# Altium PCB Drive_Board.PcbDoc
Units mil, origin at the board's own origin, x right, y up, seen from the top; angles counter-clockwise.
Board outline 3356.04 x 2335.03 mil, 2 copper layers (Top Layer, Bottom Layer); 77 components, 39 nets, 225 pads, 0 vias.
Unrouted connection lines stored in the file: 150.
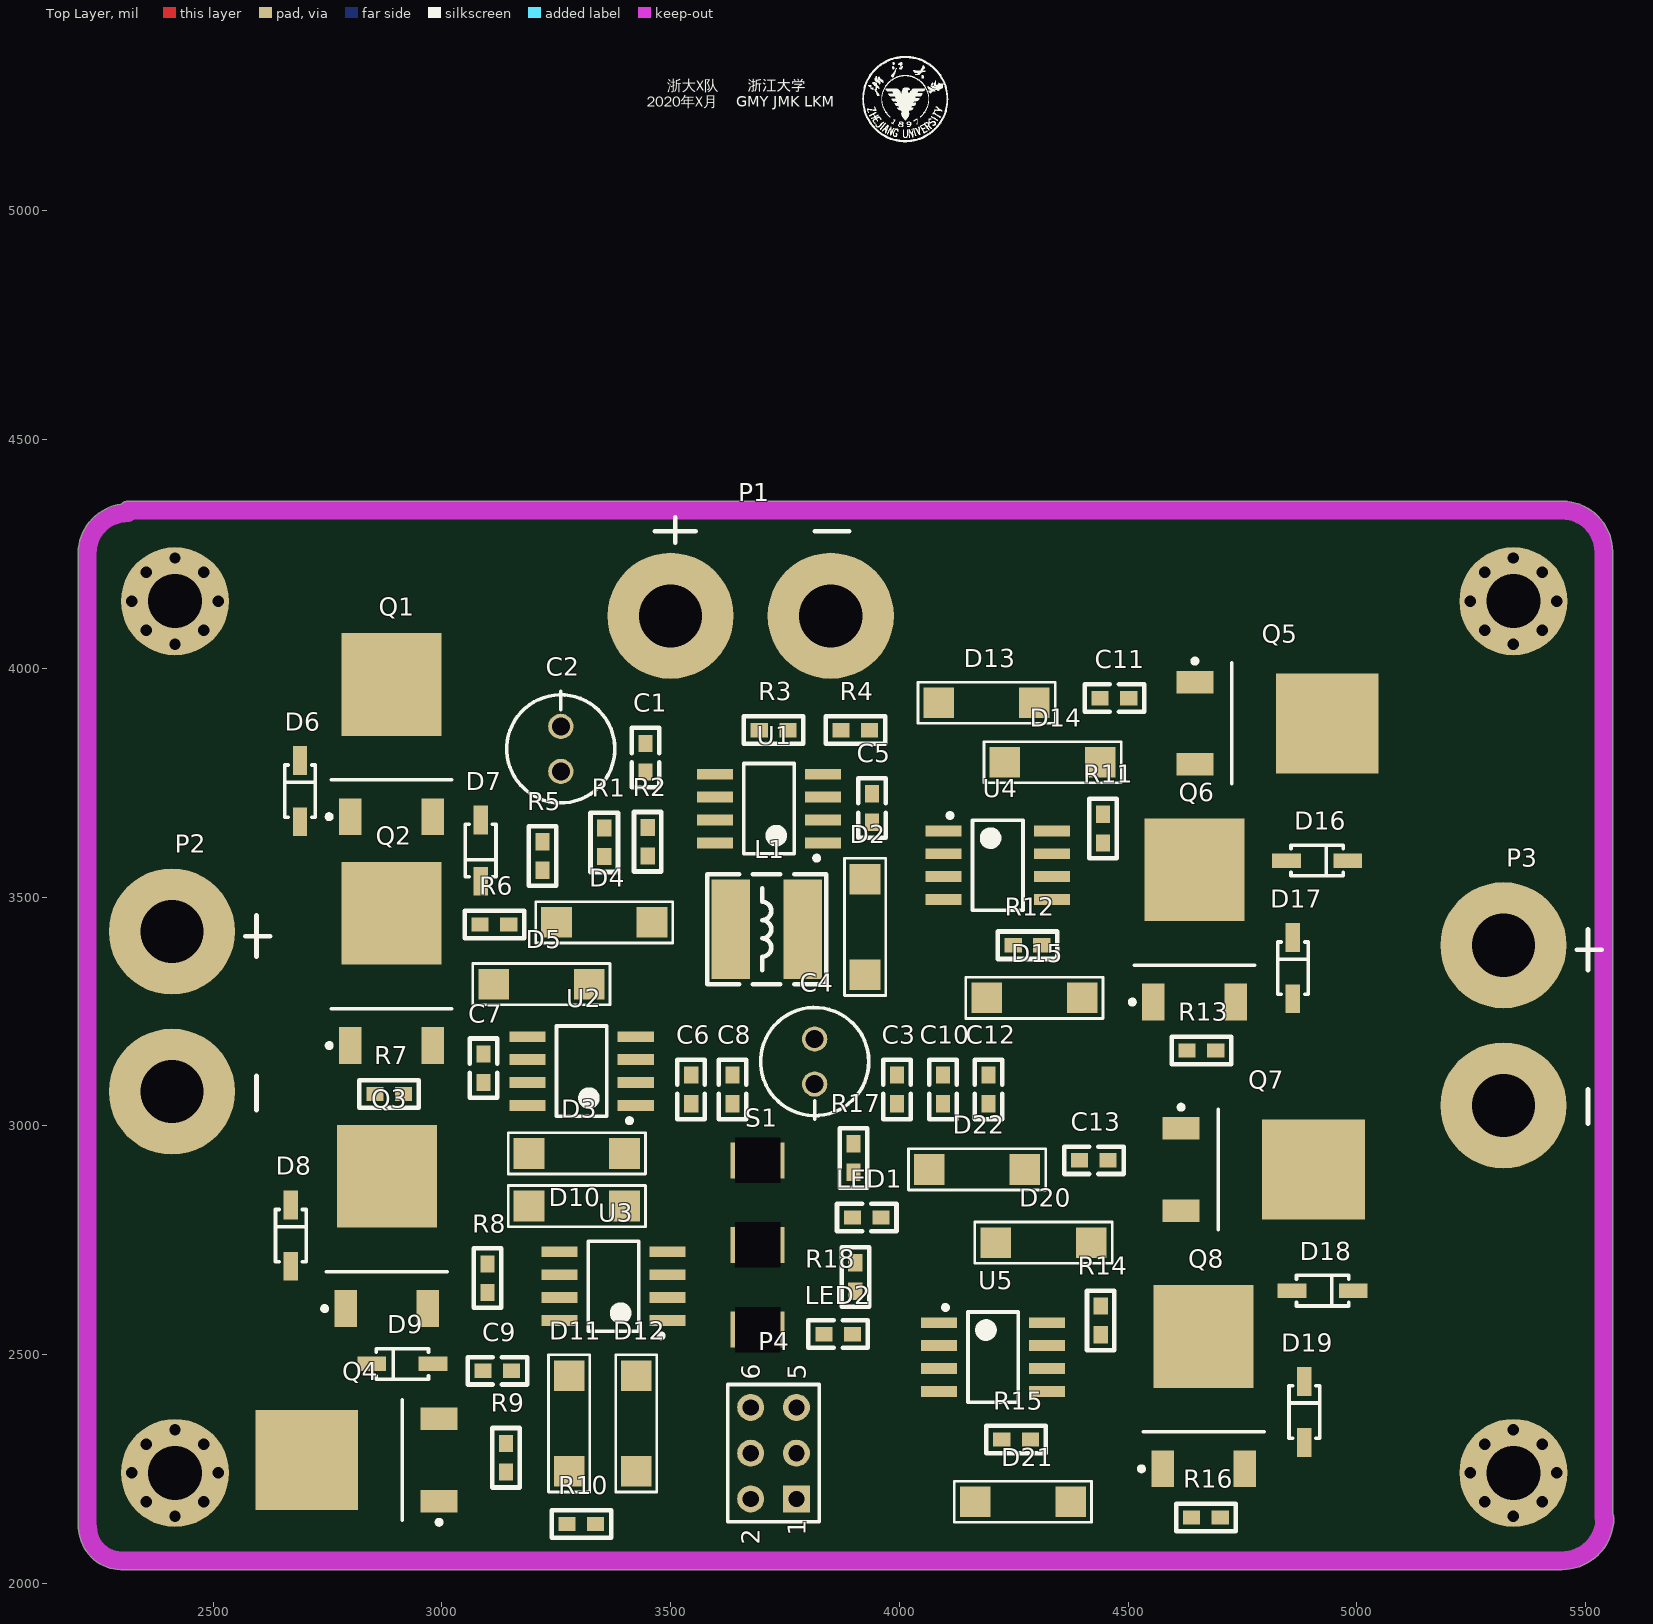
[diagram p0: Top Layer view]
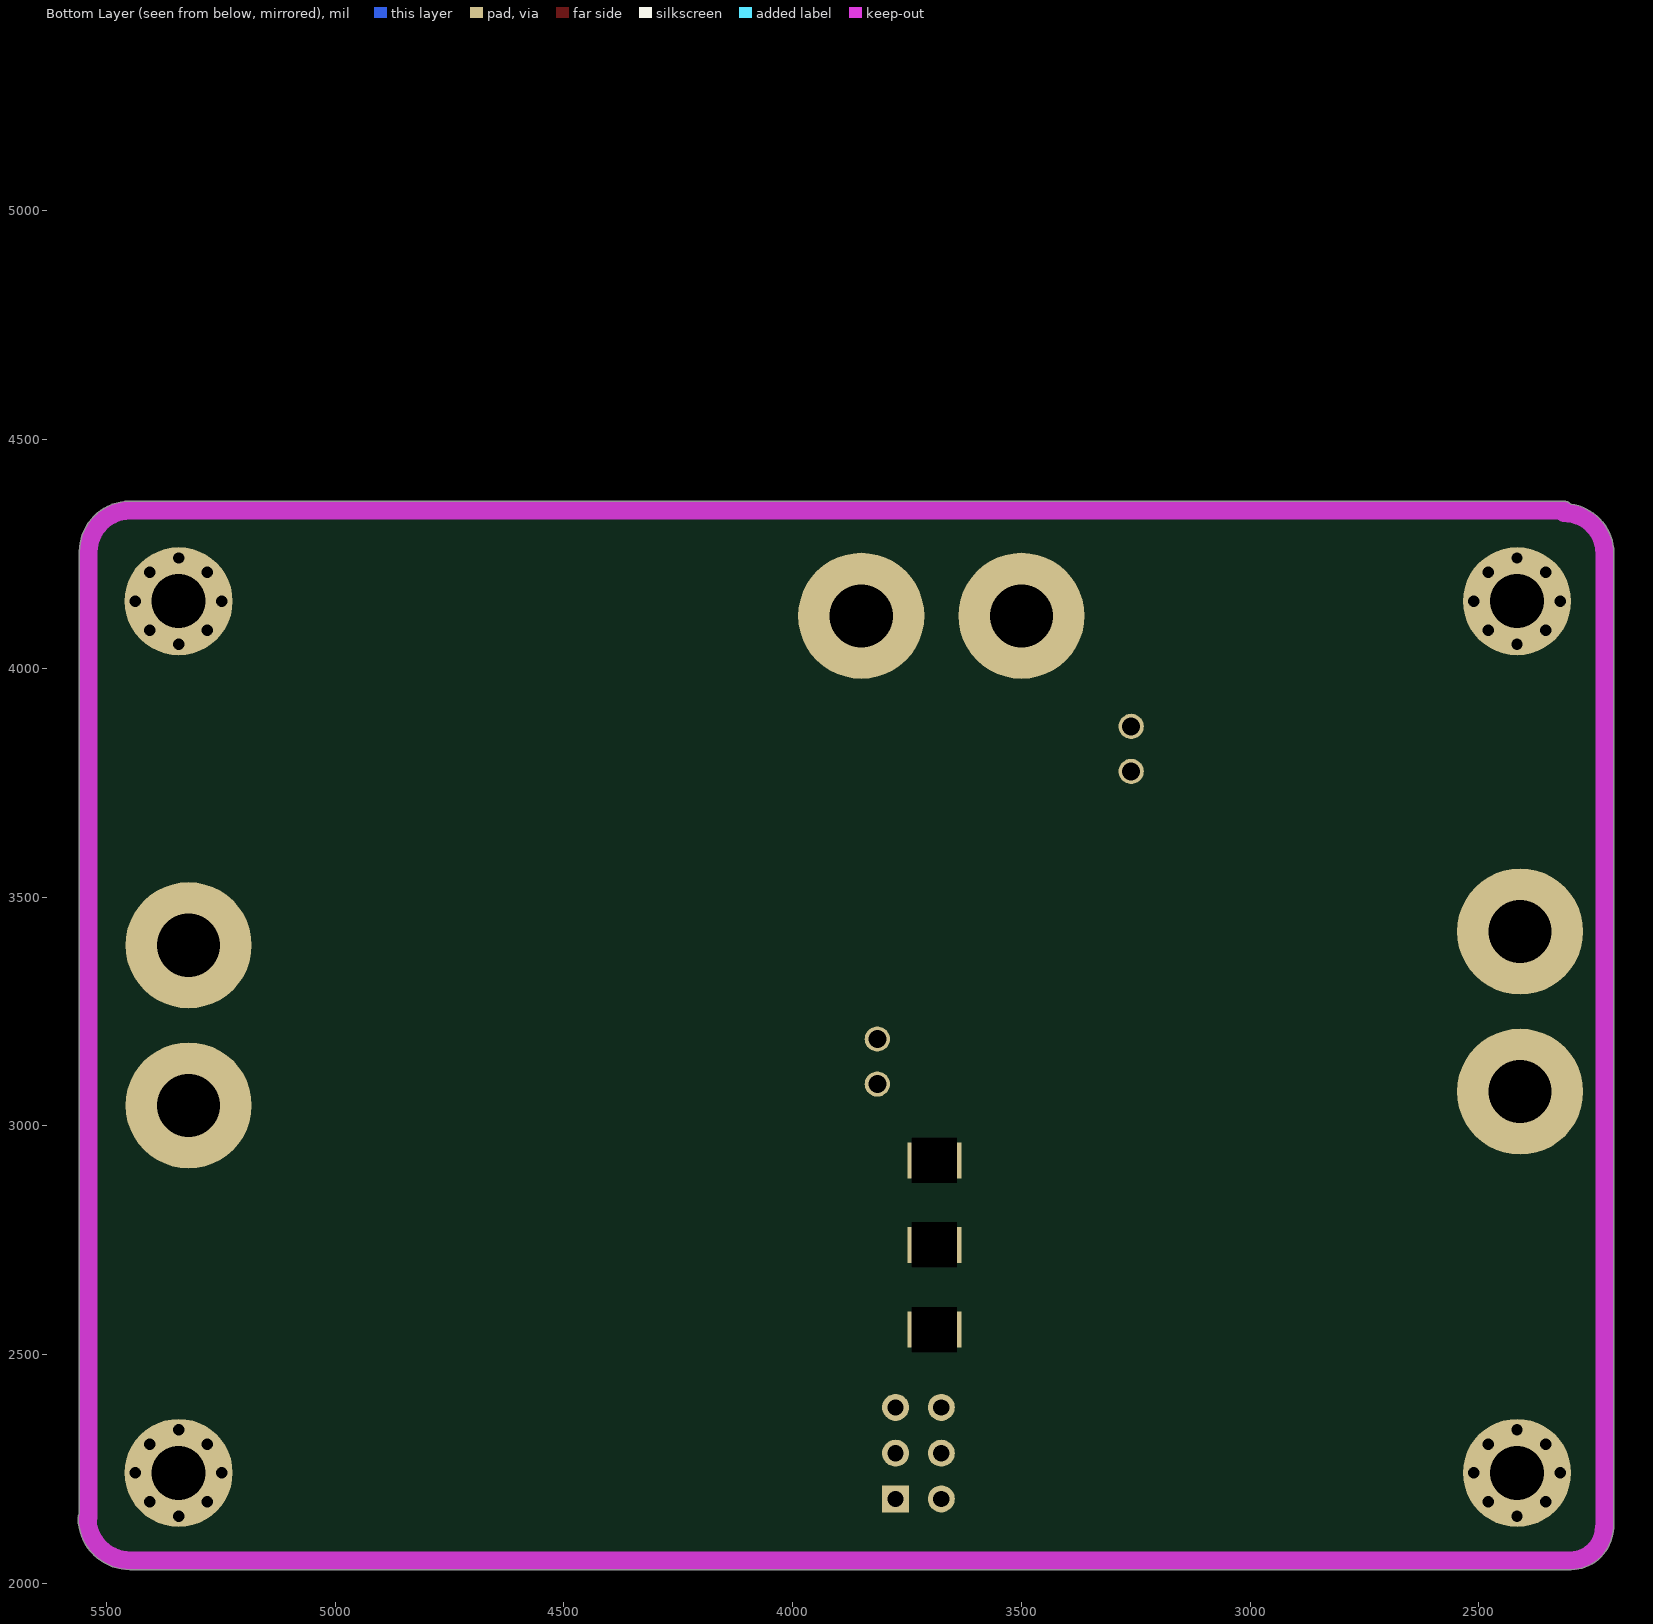
[diagram p1: Bottom Layer view, seen from below]

## Layer stack, top to bottom
Top Solder: solder mask 0.4, Solder Resist, Dk 3.5
Top Layer: signal copper 1.4
Dielectric 1: dielectric 12.6, FR-4, Dk 4.8
Bottom Layer: signal copper 1.4
Bottom Solder: solder mask 0.4, Solder Resist, Dk 3.5

## Board outline
2298.65,2030.34 ccw(c2298.94,2050.35) 2299.33,2030.34 ccw(c2300,2050.34) 2300,2030.33 5447.53,2030.33 ccw(c5447.53,2050.34) 5447.67,2030.33 cw(c5447.76,2050.34) 5447.53,2030.33 5447.67,2030.33 ccw(c5447.76,2050.34) 5447.81,2030.33 ccw(c5447.53,2144.17) 5561.37,2142.53 ccw(c5541.35,2142.82) 5561.37,2142.82 ccw(c5541.35,2142.82) 5558.72,2152.76 5558.72,4255 ccw(c5538.71,4255) 5558.72,4255.14 ccw(c5538.71,4255.22) 5558.72,4255.22 ccw(c5538.71,4255.22) 5558.72,4255.27 ccw(c5448.37,4255) 5449.96,4365.35 ccw(c5449.67,4345.33) 5449.16,4365.34 ccw(c5448.37,4345.34) 5448.37,4365.36 2314.24,4365.36 ccw(c2314.24,4345.34) 2299.64,4359.03 ccw(c2314.24,4251.09) 2205.34,4252.67 ccw(c2225.35,4252.38) 2205.34,4251.88 ccw(c2225.34,4251.09) 2205.32,4251.09 2205.32,2123.75 ccw(c2225.34,2123.75) 2206.9,2115.97 ccw(c2300,2123.75)

## Design rules (kind name [scope] priority, off if disabled: settings)
Clearance [All] p1: gap=10 ignorepadtopadclearanceinfootprint=FALSE except(0: Arc-Hole Track-Hole SMDPad-Hole THPad-Hole Via-Hole Fill-Hole Poly-Hole Region-Hole Text-Hole)
PolygonConnect [All] p1: connectstyle=Relief reliefconductorwidth=10 reliefentries=4 polygonreliefangle="90 Angle" airgapwidth=10
RoutingVias [All] p1: holewidth=28 width=50 viastyle="Through Hole" minholewidth=28 minwidth=50 maxholewidth=28 maxwidth=50
SolderMaskExpansion [All] p1: expansion=4
Width [All] p1: maxlimit=10 minlimit=10 preferedwidth=10
30 further rules are at their usual default settings.

## Classes and differential pairs
component class Sheet1: C1 C2 C3 C4 C5 C6 C7 C8 C9 C10 C11 C12 C13 D2 D3 D4 D5 D6 D7 D8 D9 D10 D11 D12 D13 D14 D15 D16 D17 D18 D19 D20 D21 D22 L1 LED1 LED2 P1 P2 P3 P4 Q1 Q2 Q3 Q4 Q5 Q6 Q7 Q8 R1 R2 R3 R4 R5 R6 R7 R8 R9 R10 R11 R12 R13 R14 R15 R16 R17 R18 S1 U1 U2 U3 U4 U5

## Components (designator, comment, footprint, x,y, rotation, side; value= is the part's Value field where it differs from the comment)
*1 "SCR2" "MECH HOLE 1" 2416.85,4146.86 r0 top
*1 "SCR2" "MECH HOLE 1" 2416.85,2241.85 r0 top
*1 "SCR2" "MECH HOLE 1" 5341.88,4146.86 r0 top
*1 "SCR2" "MECH HOLE 1" 5341.88,2241.85 r0 top
C1 "Cap" 0603C 3445,3805 r270 top value=100nF
C2 "Cap" 电解电容 3260,3775 r90 top value=100uF/16V
C3 "Cap" 0603C 3995,3080 r90 top value=100nF
C4 "Cap" 电解电容 3815,3190 r270 top value=100uF/16V
C5 "Cap" 0603C 3940,3695 r90 top value=470pF
C6 "Cap" 0603C 3545,3080 r270 top value=100nF
C7 "Cap" 0603C 3091.34,3126.25 r270 top value=1.5uF
C8 "Cap" 0603C 3635,3080 r270 top value=100nF
C9 "Cap" 0603C 3121.34,2465 r0 top value=1.5uF
C10 "Cap" 0603C 4095,3080 r90 top value=100nF
C11 "Cap" 0603C 4470,3935 r180 top value=1.5uF
C12 "Cap" 0603C 4195,3080 r90 top value=100nF
C13 "Cap" 0603C 4425,2925 r180 top value=1.5uF
D2 "SS14" ss54 3925,3435 r90 top
D3 "SS14" ss54 3295,2940 r0 top
D4 "SS14" ss54 3355,3445 r0 top
D5 "SS14" ss54 3217.67,3310 r0 top
D6 "1N4148" SOD123 2690,3666.82 r90 top
D7 "1N4148" SOD123 3085,3666.93 r270 top
D8 "1N4148" SOD123 2670,2695.32 r90 top
D9 "1N4148" SOD123 2978.82,2480 r180 top
D10 "SS14" ss54 3295,2825 r180 top
D11 "SS14" ss54 3278.19,2350 r90 top
D12 "SS14" ss54 3425,2350 r270 top
D13 "SS14" ss54 4190.67,3925 r180 top
D14 "SS14" ss54 4335,3795 r180 top
D15 "SS14" ss54 4295,3280 r0 top
D16 "1N4148" SOD123 4848.07,3580 r0 top
D17 "1N4148" SOD123 4860,3280 r90 top
D18 "1N4148" SOD123 4860,2640 r0 top
D19 "1N4148" SOD123 4885,2310 r90 top
D20 "SS14" ss54 4315,2745 r180 top
D21 "SS14" ss54 4270,2178.86 r180 top
D22 "SS14" ss54 4170,2905 r180 top
L1 "220uH" CD54 3710,3430 r0 top
LED1 "0" 0603C 3928.75,2800 r0 top
LED2 "0" 0603C 3866.25,2545 r180 top
P1 "Header 2" VCCBAT 3675,4115 r0 top
P2 "Header 2" VCCBAT 2410,3250 r270 top
P3 "Header 2" VCCBAT 5320,3220 r270 top
P4 "Header 3X2" HDR2X3 3775,2185 r90 top
Q1 "MOSFET" DPAK-1 2890,3855 r90 top
Q2 "MOSFET" DPAK-1 2890,3355 r90 top
Q3 "MOSFET" DPAK-1 2880,2780 r90 top
Q4 "MOSFET" DPAK-1 2815,2270 r180 top
Q5 "MOSFET" DPAK-1 4825,3880 r0 top
Q6 "MOSFET" DPAK-1 4645,3450 r90 top
Q7 "MOSFET" DPAK-1 4795,2905 r0 top
Q8 "MOSFET" DPAK-1 4665,2430 r90 top
R1 "Res2" 0603R 3355,3620 r270 top value=0.91
R2 "Res2" 0603R 3450,3621.25 r270 top value=180
R3 "Res2" 0603R 3725,3865 r180 top value=3.9k
R4 "Res2" 0603R 3903.75,3865 r180 top value=33k
R5 "Res2" 0603R 3220,3590 r270 top value=20
R6 "Res2" 0603R 3115,3440 r0 top value=20
R7 "Res2" 0603R 2885,3070 r180 top value=10k
R8 "Res2" 0603R 3100,2667.48 r270 top value=20
R9 "Res2" 0603R 3140,2275 r90 top value=20
R10 "Res2" 0603R 3305,2130 r180 top value=10k
R11 "Res2" 0603R 4445,3650 r270 top value=20
R12 "Res2" 0603R 4280,3395 r180 top value=20
R13 "Res2" 0603R 4660,3165 r180 top value=10k
R14 "Res2" 0603R 4440,2575 r270 top value=20
R15 "Res2" 0603R 4255,2315 r180 top value=20
R16 "Res2" 0603R 4670,2144.17 r180 top value=10k
R17 "Res2" 0603R 3900,2930 r90 top value=11k
R18 "Res2" 0603R 3903.75,2670 r90 top value=11k
S1 "SW-SPDT" SW 3690,2739.96 r270 top
U1 "MC34063" SOIC-8 3715,3693.75 r180 top
U2 "IR2104" SOIC-8 3305.75,3120 r180 top
U3 "IR2104" SOIC-8 3375,2650 r180 top
U4 "IR2104" SOIC-8 4215,3570 r0 top
U5 "IR2104" SOIC-8 4205,2495 r0 top

## Footprints (in the part's own frame and the unit in brackets; to place one, negate y for a bottom-side part, rotate by r counter-clockwise, add the part's x,y. Pads: shape width x height; smd on the part's side, far side on the other; paste and mask are expansions set on the pad)
0603C [mil]
  rect 37.5x31 smd: 1(-31.25,0) 2(31.25,0)
  silkscreen extent -65,-30 65,30
0603R [mil]
  rect 37.5x31 smd: 1(-31.25,0) 2(31.25,0)
  silkscreen extent -65,-30 65,30
CD54 [mm] "5.8*5.2*4.5mm（长宽高）"
  rect 2.15x5.5 smd: 1(-2,0) 2(2,0)
  silkscreen extent -3.3,-3.05 3.3,3.05, body extent -2.87,-2.5 2.87,2.5, height 4
DPAK-1 [mm]
  rect 5.7x5.55 smd: 1(2.794,0)
  rect 2.05x1.25 smd: 2(-4.55,2.28) 3(-4.55,-2.28)
  silkscreen extent -4.67,-3.35 -2.5,3.58, body extent -2.15,-3.37 4.07,3.37, height 2.38
HDR2X3 [mm] "Connector; Header; 3x2 Position"
  rect 1.5x1.5 hole 0.9: 1(0,0)
  round 1.5 hole 0.9: 2(0,2.54) 3(2.54,0) 4(2.54,2.54) 5(5.08,0) 6(5.08,2.54)
  silkscreen extent -1.27,-1.27 6.35,3.81
"MECH HOLE 1" [mm]
  round 6 hole 3: 0(0,0)
  round 0.635 hole 0.635: 1(-2.4,0) 1(-1.6,-1.6) 1(-1.6,1.6) 1(0,-2.4) 1(0,2.4) 1(1.6,-1.6) 1(1.6,1.6) 1(2.4,0)
SOD123 [mm]
  rect 1.6x0.8 smd: 1(-0.049,0) 2(3.351,0)
  silkscreen extent 0.2,-0.85 3.1,0.85
SOIC-8 [mm]
  rect 2x0.6 smd: 1(-3,1.905) 2(-3,0.635) 3(-3,-0.635) 4(-3,-1.905) 5(3,-1.905) 6(3,-0.635) 7(3,0.635) 8(3,1.905)
  silkscreen extent -2.78,-2.5 1.4,2.88, body extent -3.05,-2.44 3.05,2.46, height 1.51
ss54 [mm]
  rect 1.7x1.7 smd: A(-2.65,0) K(2.65,0)
  silkscreen extent -3.81,-1.14 3.81,1.14
SW [mm]
  rect 2x3 hole 2.5 square: 1(-4.7,0) 2(0,0) 3(4.7,0)
VCCBAT [mm]
  round 7 hole 3.5: 1(-4.445,0) 2(4.445,0)
  silkscreen extent -5.33,4.06 5.46,5.46
电解电容 [mm]
  round 1.4 hole 1: 1(0,0) 2(2.5,0)
  silkscreen extent -1.75,-3 4.44,3

## Part data
*1 *1 *1 *1: library part M3, "铜柱孔"
C1 C3 C5 C6 C7 C8 C9 C10 C11 C12 C13: "Capacitor", LatestRevisionDate=17-Jul-2002, LatestRevisionNote="Re-released for DXP Platform.", PackageDescription="Radial Cap, Thru-Hole; 2 Leads; 0.3 in Pin Spacing", PackageReference=RAD-0.3, Published=8-Jun-2000, Publisher="Altium Limited"
C2 C4: library part Cap2, "Capacitor", LatestRevisionDate=17-Jul-2002, LatestRevisionNote="Re-released for DXP Platform.", PackageDescription="Radial Cap, Thru-Hole; 2 Leads; 0.3 in Pin Spacing", PackageReference=RAD-0.3, Published=8-Jun-2000, Publisher="Altium Limited"
D2 D3 D4 D5 D10 D11 D12 D13 D14 D15 D20 D21 D22: library part Diode_1, "Default Diode", Code_JEDEC=DO-214-AB, LatestRevisionDate=17-Jul-2002, LatestRevisionNote="Re-released for DXP Platform.", PackageDescription="DO-214-AB/SMC; 2 C-Bend Leads; Body 7.9 x 5.9 mm, inc. leads (LxW)", PackageReference=SMC, PackageVersion=Sep-1996, Published=8-Jun-2000, Publisher="Altium Limited"
D6 D7 D8 D9 D16 D17 D18 D19: library part Diode_2, "Default Diode", Code_JEDEC=DO-214-AB, LatestRevisionDate=17-Jul-2002, LatestRevisionNote="Re-released for DXP Platform.", PackageDescription="DO-214-AB/SMC; 2 C-Bend Leads; Body 7.9 x 5.9 mm, inc. leads (LxW)", PackageReference=SMC, PackageVersion=Sep-1996, Published=8-Jun-2000, Publisher="Altium Limited"
L1: library part Inductor_2, "Inductor", Code_IEC=1005, Code_JEITA=0402, LatestRevisionDate=29-May-2009, LatestRevisionNote="IPC-7351 Footprint Added.", PackageDescription="Chip Inductor", PackageReference=0402-A, Published=8-Jun-2000, Publisher="Altium Limited"
LED1 LED2: library part LED2, "Typical RED, GREEN, YELLOW, AMBER GaAs LED", LatestRevisionDate=17-Jul-2002, LatestRevisionNote="Re-released for DXP Platform.", PackageDescription="SM LED; 2 Flat Leads", PackageReference=3.2X1.6X1.1, PackageVersion=Feb-2002, Published=8-Jun-2000, Publisher="Altium Limited"
P1 P2 P3: library part "Header 2_2", "Header, 2-Pin", LatestRevisionDate=17-Jul-2002, LatestRevisionNote="Re-released for DXP Platform.", Publisher="Altium Limited"
P4: "Header, 3-Pin, Dual row", LatestRevisionDate=17-Jul-2002, LatestRevisionNote="Re-released for DXP Platform.", Publisher="Altium Limited"
Q1 Q2 Q3 Q4 Q5 Q6 Q7 Q8: library part MOSFET-N
R1 R2 R3 R4 R5 R6 R7 R8 R9 R10 R11 R12 R13 R14 R15 R16 R17 R18: "Resistor", LatestRevisionDate=17-Jul-2002, LatestRevisionNote="Re-released for DXP Platform.", PackageDescription="Axial Device, Thru-Hole; 2 Leads; 0.4 in Pin Spacing", PackageReference=AXIAL-0.4, Published=8-Jun-2000, Publisher="Altium Limited"
S1: "SPDT Subminiature Toggle Switch, Right Angle Mounting, Vertical Actuation", ComponentLink1Description="Manufacturer Link", ComponentLink1URL=http://www.apem.com, DatasheetVersion=05-Dec-2000, LatestRevisionDate=17-Dec-2003, LatestRevisionNote="Schematic revised, PCB Footprint replaced.", PackageDescription="Switch; 4 Leads", PackageReference=TL36WW15050, Published=24-Mar-1999, Publisher="Altium Limited"

## Nets (pads, with @x,y where several pads share a name; then routed paths per layer and width w, separated by ;. In a path a pad name is that pad's centre, name@x,y a point inside that pad or via, vN(x,y) a via of type N, cw(c..) or ccw(c..) an arc to the next point about the centre after c; other vN are vias at no path point)
D12V: C3.2 C4.1 C6.2 C8.2 C10.2 C12.2 D2.A D3.K D12.K D13.K D22.K R4.1 R17.2 S1.1 U2.1 U3.1 U4.1 U5.1
EN: R18.2 S1.2 U2.3 U3.3 U4.3 U5.3
GND: C1.1 C2.2 C3.1 C4.2 C5.1 C6.1 C8.1 C10.1 C12.1 D7.1 D9.1 D17.1 D19.1 LED1.2 LED2.2 P1.2 P4.3 P4.4 Q2.3 Q4.3 Q6.3 Q8.3 R3.2 R7.1 R10.1 R13.1 R16.1 S1.3 U1.2 U1.4 U2.4 U3.4 U4.4 U5.4
L0: P4.2 U2.2
L1: P4.6 U3.2
L+: C7.1 D6.1 D7.2 P2.1 Q1.3 Q2.1 U2.6
L-: C9.1 D8.1 D9.2 P2.2 Q3.3 Q4.1 U3.6
NetC5_2: C5.2 U1.3
NetC7_2: C7.2 D3.A U2.8
NetC9_2: C9.2 D12.A U3.8
NetC11_2: C11.2 D13.A U4.8
NetC13_2: C13.2 D22.A U5.8
NetD2_1: D2.K L1.2 U1.1
NetD4_1: D4.K Q1.2 R5.1
NetD4_2: D4.A R5.2 U2.7
NetD5_1: D5.A Q2.2 R6.1 R7.2
NetD5_2: D5.K R6.2 U2.5
NetD10_1: D10.K Q3.2 R8.1
NetD10_2: D10.A R8.2 U3.7
NetD11_1: D11.A Q4.2 R9.1 R10.2
NetD11_2: D11.K R9.2 U3.5
NetD14_1: D14.A Q5.2 R11.1
NetD14_2: D14.K R11.2 U4.7
NetD15_1: D15.K Q6.2 R12.1 R13.2
NetD15_2: D15.A R12.2 U4.5
NetD20_1: D20.A Q7.2 R14.1
NetD20_2: D20.K R14.2 U5.7
NetD21_1: D21.A Q8.2 R15.1 R16.2
NetD21_2: D21.K R15.2 U5.5
NetL1_1: L1.1 R1.2 R2.2 U1.7
NetLED1_1: LED1.1 R17.1
NetLED2_1: LED2.1 R18.1
NetR2_1: R2.1 U1.8
NetR3_1: R3.1 R4.2 U1.5
R0: P4.1 U4.2
R1: P4.5 U5.2
R+: C11.1 D16.1 D17.2 P3.1 Q5.3 Q6.1 U4.6
R-: C13.1 D18.1 D19.2 P3.2 Q7.3 Q8.1 U5.6
VCC: C1.2 C2.1 D6.2 D8.2 D16.2 D18.2 P1.1 Q1.1 Q3.1 Q5.1 Q7.1 R1.1 U1.6
pads on no net: *1.0 *1.1

## Keep-outs
Keep-Out Layer:
  lines w40: 2225.34,2123.75 2225.34,4251.09 ; 2225.35,4252.38 cw(c2314.24,4251.09) 2314.02,4340 ; 2226.59,2123.57 ccw(c2300,2123.75) 2298.94,2050.35 ; 2300,2050.34 5447.53,2050.34 ; 2314.24,4345.34 5448.37,4345.34 ; 5447.76,2050.34 ccw(c5447.53,2144.17) 5541.35,2142.82 ; 5449.67,4345.33 cw(c5448.37,4255) 5538.71,4255.22 ; 5538.71,2144.17 5538.71,4255

## Silkscreen, mask and mechanical layers (free items; w line width, h text height)
Top Overlay:
  drawing of 1340 lines, arcs and shapes, not listed
  text "浙大X队" at 3492.78,5255 h40
  text "浙江大学" at 3668.33,5255 h40
  text "2020年X月" at 3448.33,5220 h40
  text "GMY JMK LKM" at 3643.33,5220 h40

## Text inside footprints (layer, text, board x,y; h text height)
P4: Top Overlay "1" at 3795,2105 h40 r90; Top Overlay "2" at 3695,2085 h40 r90; Top Overlay "5" at 3795,2445 h40 r90; Top Overlay "6" at 3695,2445 h40 r90